# Altium PCB ctrl_boardV1.1.PcbDoc (part 2 of 3)
Units mil, origin at the board's own origin, x right, y up, seen from the top; angles counter-clockwise.
Board outline 8346.46 x 3346.46 mil, 2 copper layers (Top Layer, Bottom Layer); 255 components, 141 nets, 746 pads, 2286 vias.
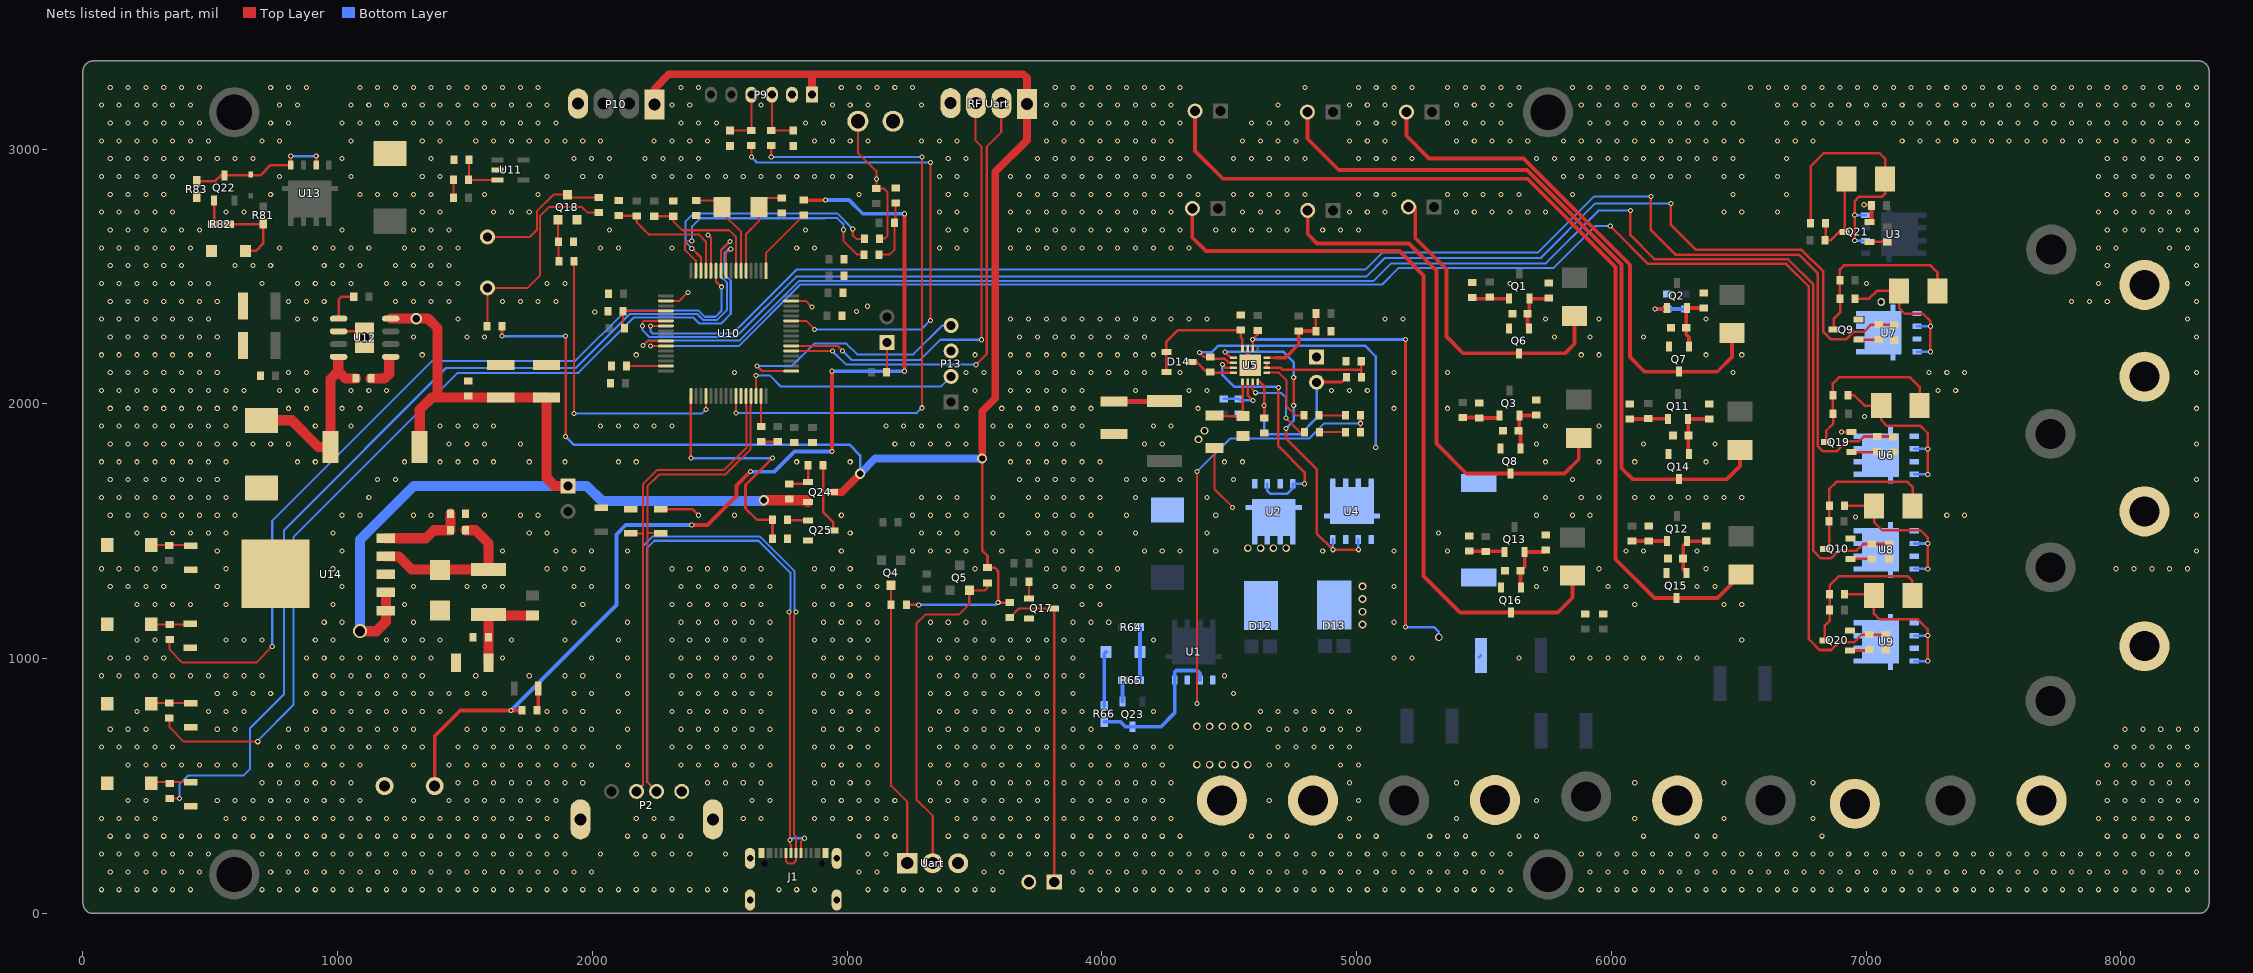
[diagram p2: the nets of this part, all layers, seen from the top]

## Via types
v1: diameter 20, hole 12, Top Layer to Bottom Layer, tented both sides, 2178 vias
v2: diameter 30, hole 20, Top Layer to Bottom Layer, tented both sides, 97 vias
v3: diameter 40, hole 25, Top Layer to Bottom Layer, tented both sides, 3 vias
v4: diameter 55, hole 40, Top Layer to Bottom Layer, tented both sides, 2 vias
v5: diameter 45, hole 30, Top Layer to Bottom Layer, tented both sides, 2 vias
v6: diameter 59.06, hole 39.37, Top Layer to Bottom Layer, 1 vias
v7: diameter 60, hole 40, Top Layer to Bottom Layer, tented both sides, 1 vias
v8: diameter 40, hole 30, Top Layer to Bottom Layer, tented both sides, 1 vias
v9: diameter 50, hole 30, Top Layer to Bottom Layer, tented both sides, 1 vias

## Nets (pads, with @x,y where several pads share a name; then routed paths per layer and width w, separated by ;. In a path a pad name is that pad's centre, name@x,y a point inside that pad or via, vN(x,y) a via of type N, cw(c..) or ccw(c..) an arc to the next point about the centre after c; other vN are vias at no path point) (continued)
GND: 12V-.1 "RF Uart.4" C1.1 C2.1 C3.1 C4.2 C5.2 C6.1 C7.2 C8.1 C10.1 C13.1 C14.1 C15.1 C16.1 C17.1 C18.1 C19.1 C20.1 C21.1 C22.1 C23.1 C24.1 C26.1 C27.2 C28.2 C29.2 C30.2 C31.2 C32.1 C33.1 C34.2 D15.1 D16.1 D17.1 D18.1 D19.1 D20.1 D21.1 D22.1 D23.1 D24.1 D25.1 D26.1 D27.1 Freq.2 GND.1 J1.1 J1.A1 J1.A12 J1.B1 J1.B12 NTC.1 P2.4 P2.5 P2.6 P9.2 P10.4 P13.3 P16.1 Q6.2 Q7.2 Q8.2 Q9.2 Q10.2 Q14.2 Q15.2 Q16.2 Q17.2 Q18.2 Q19.2 Q20.2 Q21.2 Q25.2 R8.1 R9.1 R10.1 R11.2 R12.2 R13.2 R16.2 R17.2 R21.1 R22.1 R23.1 R24.2 R25.2 R26.2 R33.2 R34.2 R38.2 R54.2 R59.2 R66.2 R72.2 R74.2 R76.2 R79.2 R83.2 R85.1 R89.2 R92.1 SW1.1 SW2.1 SW3.1 SW4.1 T6.1 T8.1 T10.1 TVS1.1 TVS2.1 TVS3.1 TVS4.1 TVS5.1 TVS6.1 TVS7.1 TVS8.1 U4.1 U4.3 U5.11 U5.17 U6.5 U6.6 U6.7 U6.8 U7.5 U7.6 U7.7 U7.8 U8.5 U8.6 U8.7 U8.8 U9.5 U9.6 U9.7 U9.8 U10.12 U10.18 U10.63 U11.2 U12.6 U12.9 U14.3 U14.6 Uart.3 | length 1082.7
  Top Layer w8: U10.18@2288.3,2404.89 2341.89,2404.89 v1(2375,2438) ; v1(2454,2663) 2465.46,2651.54 U10.12@2465.46,2523 ; U10.63@2780.43,2404.89 2837.11,2404.89 v1(2862,2380)
  Top Layer w10: U12.6@1003.64,2285 U12.9@1081,2285 ; D18.1@2269,1587 2393,1587 v1(2417,1563) ; J1.B12@2657.11,237 J1.A1@2668.92,237 ; C14.1@2662,1852 2726,1852 C19.1@2727,1853 ; J1.B1@2909.08,237 J1.A12@2920.89,237 ; U5.11@4572.31,2217.41 4572.31,2161.99 v2(4582.15,2152.15) ; v1(6904,1889.89) Q19.2@6942.15,1889.89
  Top Layer w15: v1(6992.15,2782.15) 7018.09,2782.15 R38.2@7021.09,2779.15 7021.09,2719.2 7016.78,2714.89 Q21.2@7014.15,2714.89
  Bottom Layer w15: R66.2@4009.15,814.13 4009.15,1019.15 D17.1@4016.15,1026.15
  other v1: 72,93 142,93 212,93 282,93 352,93 422,93 702,93 772,93 842,93 912,93 982,93 1052,93 1122,93 1192,93 1262,93 1332,93 1402,93 1472,93 1542,93 1612,93 1682,93 1752,93 1822,93 1892,93 1962,93 2032,93 2102,93 2172,93 2242,93 2312,93 2382,93 2452,93 2522,93 2732,93 2802,93 2872,93 3082,93 3152,93 3222,93 3292,93 3362,93 3432,93 3502,93 3572,93 3922,93 3992,93 4062,93 4132,93 4202,93 4272,93 4342,93 4412,93 4482,93 4552,93 4622,93 4692,93 4762,93 4832,93 4902,93 4972,93 5042,93 5112,93 5182,93 5252,93 5322,93 5392,93 5462,93 5532,93 5602,93 5882,93 5952,93 6022,93 6092,93 6162,93 6232,93 6302,93 6372,93 6442,93 6512,93 6582,93 6652,93 6722,93 6792,93 6862,93 6932,93 7002,93 7072,93 7142,93 7212,93 7282,93 7352,93 7422,93 7492,93 7562,93 7632,93 7702,93 7772,93 7842,93 7912,93 7982,93 8052,93 8122,93 8192,93 8262,93 107,163 177,163 247,163 317,163 387,163 457,163 737,163 807,163 877,163 947,163 1017,163 1087,163 1157,163 1227,163 1297,163 1367,163 1437,163 1507,163 1577,163 1647,163 1717,163 1787,163 1857,163 1927,163 1997,163 3047,163 3117,163 3537,163 3607,163 3887,163 3957,163 4027,163 4097,163 4167,163 4237,163 4307,163 4377,163 4447,163 4517,163 4587,163 4657,163 4727,163 4797,163 4867,163 4937,163 5007,163 5077,163 5147,163 5217,163 5287,163 5357,163 5427,163 5497,163 5567,163 5917,163 5987,163 6057,163 6127,163 6197,163 6267,163 6337,163 6407,163 6477,163 6547,163 6617,163 6687,163 6757,163 6827,163 6897,163 6967,163 7037,163 7107,163 7177,163 7247,163 7317,163 7387,163 7457,163 7527,163 7597,163 7667,163 7737,163 7807,163 7877,163 7947,163 8017,163 8087,163 8157,163 8227,163 8297,163 72,233 142,233 212,233 282,233 352,233 422,233 492,233 702,233 772,233 842,233 912,233 982,233 1052,233 1122,233 1192,233 1262,233 1332,233 1402,233 1472,233 1542,233 1612,233 1682,233 1752,233 1822,233 1892,233 2032,233 2172,233 2242,233 2312,233 2382,233 2522,233 3082,233 3152,233 3572,233 3642,233 3712,233 3782,233 3852,233 3922,233 3992,233 4062,233 4132,233 4202,233 4272,233 4342,233 4412,233 4482,233 4552,233 4622,233 4692,233 4762,233 4832,233 4902,233 4972,233 5042,233 5112,233 5182,233 5252,233 5322,233 5392,233 5462,233 5532,233 5602,233 5882,233 5952,233 6022,233 6092,233 6162,233 6232,233 6302,233 6372,233 6442,233 6512,233 6582,233 6652,233 6722,233 6792,233 6862,233 6932,233 7002,233 7072,233 7142,233 7212,233 7282,233 7352,233 7422,233 7492,233 7562,233 7632,233 7702,233 7772,233 7842,233 7912,233 7982,233 8052,233 8122,233 8192,233 8262,233 107,303 177,303 247,303 317,303 387,303 457,303 527,303 597,303 667,303 737,303 807,303 877,303 947,303 1017,303 1087,303 1157,303 1227,303 1297,303 1367,303 1437,303 1507,303 1577,303 1647,303 1717,303 1787,303 1857,303 2137,303 2207,303 2277,303 2347,303 3047,303 3117,303 3187,303 3397,303 3467,303 3537,303 3607,303 3677,303 3747,303 3887,303 3957,303 4027,303 4097,303 4167,303 4237,303 4307,303 4587,303 4657,303 4727,303 4937,303 5007,303 5077,303 5287,303 5357,303 5427,303 5637,303 5707,303 6127,303 6337,303 6407,303 6827,303 7947,303 8017,303 8087,303 8157,303 8227,303 8297,303 72,373 142,373 212,373 282,373 562,373 632,373 702,373 772,373 842,373 912,373 982,373 1052,373 1122,373 1192,373 1262,373 1332,373 1402,373 1472,373 1542,373 1612,373 1682,373 1752,373 1822,373 2172,373 2242,373 2312,373 2592,373 2662,373 2872,373 2942,373 3012,373 3082,373 3152,373 3432,373 3502,373 3572,373 3642,373 3712,373 3782,373 3852,373 3922,373 3992,373 4062,373 4132,373 4202,373 4272,373 4972,373 5392,373 6092,373 6442,373 6792,373 7912,373 7982,373 8052,373 8122,373 8192,373 8262,373 177,443 247,443 527,443 597,443 667,443 737,443 807,443 877,443 947,443 1017,443 1087,443 1297,443 1437,443 1507,443 1577,443 1647,443 1717,443 1787,443 1857,443 2627,443 2697,443 2907,443 2977,443 3047,443 3117,443 3187,443 3327,443 3397,443 3467,443 3537,443 3607,443 3677,443 3747,443 3887,443 3957,443 4027,443 4097,443 4167,443 4237,443 4657,443 5007,443 5707,443 7947,443 8017,443 8087,443 8157,443 8227,443 8297,443 702,513 772,513 842,513 912,513 982,513 1052,513 1472,513 1542,513 1612,513 1682,513 1752,513 1822,513 1892,513 1962,513 2452,513 2522,513 2592,513 2662,513 2872,513 2942,513 3012,513 3082,513 3362,513 3432,513 3502,513 3572,513 3642,513 3712,513 3782,513 3852,513 3922,513 3992,513 4062,513 4132,513 4202,513 4272,513 4972,513 5392,513 6092,513 6442,513 6792,513 7912,513 7982,513 8052,513 8122,513 8192,513 8262,513 177,583 247,583 317,583 387,583 457,583 527,583 597,583 737,583 807,583 877,583 947,583 1017,583 1087,583 1297,583 1437,583 1507,583 1577,583 1647,583 1717,583 1787,583 1857,583 1927,583 1997,583 2137,583 2347,583 2417,583 2487,583 2557,583 2627,583 2697,583 2907,583 2977,583 3047,583 3117,583 3327,583 3397,583 3467,583 3537,583 3607,583 3677,583 3747,583 3887,583 3957,583 4027,583 4097,583 4167,583 4237,583 4657,583 4727,583 4937,583 5007,583 7947,583 8017,583 8087,583 8157,583 8227,583 8297,583 72,653 142,653 212,653 282,653 352,653 772,653 842,653 912,653 982,653 1052,653 1122,653 1192,653 1262,653 1332,653 1472,653 1542,653 1612,653 1682,653 1752,653 1822,653 1892,653 1962,653 2102,653 2312,653 2382,653 2452,653 2522,653 2592,653 2662,653 2872,653 2942,653 3012,653 3082,653 3362,653 3432,653 3502,653 3572,653 3642,653 3712,653 3782,653 3852,653 3922,653 3992,653 4062,653 4132,653 4202,653 4272,653 4692,653 4762,653 4832,653 4902,653 4972,653 7982,653 8052,653 8122,653 8192,653 8262,653 107,723 177,723 247,723 527,723 597,723 807,723 877,723 947,723 1017,723 1087,723 1157,723 1227,723 1297,723 1507,723 1577,723 1647,723 1717,723 1787,723 1857,723 1927,723 1997,723 2137,723 2347,723 2417,723 2487,723 2557,723 2627,723 2697,723 2907,723 2977,723 3047,723 3117,723 3327,723 3397,723 3467,723 3537,723 3607,723 3677,723 3747,723 3887,723 3957,723 4657,723 4727,723 4797,723 4867,723 4937,723 5007,723 8017,723 8087,723 8157,723 8227,723 8297,723 212,793 492,793 562,793 632,793 912,793 982,793 1052,793 1122,793 1192,793 1262,793 1332,793 1402,793 1822,793 1892,793 1962,793 2102,793 2312,793 2382,793 2452,793 2522,793 2592,793 2662,793 2872,793 2942,793 3012,793 3082,793 3362,793 3432,793 3502,793 3572,793 3642,793 3712,793 3782,793 3852,793 3922,793 4202,793 4622,793 4692,793 4762,793 4832,793 4902,793 4972,793 527,863 597,863 667,863 737,863 877,863 947,863 1017,863 1087,863 1157,863 1227,863 1297,863 1367,863 1437,863 1507,863 1577,863 1927,863 1997,863 2137,863 2347,863 2417,863 2487,863 2557,863 2627,863 2697,863 2907,863 2977,863 3047,863 3117,863 3327,863 3397,863 3467,863 3537,863 3607,863 3677,863 3747,863 3887,863 4517,863 72,933 142,933 212,933 282,933 352,933 422,933 492,933 562,933 632,933 702,933 912,933 982,933 1052,933 1122,933 1192,933 1262,933 1332,933 1542,933 1752,933 1892,933 1962,933 2102,933 2312,933 2382,933 2452,933 2522,933 2592,933 2662,933 2872,933 2942,933 3012,933 3082,933 3362,933 3432,933 3502,933 3572,933 3642,933 3712,933 3782,933 3852,933 3922,933 4482,933 107,1003 177,1003 247,1003 317,1003 877,1003 947,1003 1017,1003 1087,1003 1157,1003 1227,1003 1297,1003 1367,1003 1647,1003 1997,1003 2137,1003 2347,1003 2417,1003 2487,1003 2557,1003 2627,1003 2697,1003 2907,1003 2977,1003 3047,1003 3117,1003 3327,1003 3397,1003 3467,1003 3537,1003 3607,1003 3677,1003 3747,1003 3887,1003 5147,1003 5217,1003 5637,1003 5847,1003 5917,1003 5987,1003 6057,1003 6127,1003 6197,1003 6267,1003 6337,1003 212,1073 282,1073 562,1073 632,1073 702,1073 912,1073 982,1073 1192,1073 1262,1073 1332,1073 1402,1073 1682,1073 1892,1073 2102,1073 2312,1073 2382,1073 2452,1073 2522,1073 2592,1073 2662,1073 2872,1073 2942,1073 3012,1073 3082,1073 3362,1073 3432,1073 3502,1073 3572,1073 3642,1073 3712,1073 3782,1073 3852,1073 3922,1073 4202,1073 6512,1073 947,1143 1017,1143 1297,1143 1927,1143 2137,1143 2347,1143 2417,1143 2487,1143 2557,1143 2627,1143 2697,1143 2907,1143 2977,1143 3047,1143 3117,1143 3327,1143 3397,1143 3467,1143 3537,1143 3887,1143 3957,1143 4027,1143 5147,1143 212,1213 282,1213 352,1213 422,1213 562,1213 982,1213 1262,1213 1962,1213 2312,1213 2382,1213 2452,1213 2522,1213 2592,1213 2662,1213 2872,1213 2942,1213 3012,1213 3082,1213 3922,1213 3992,1213 6092,1213 6442,1213 6512,1213 107,1283 177,1283 247,1283 317,1283 527,1283 1017,1283 1297,1283 1507,1283 1577,1283 1647,1283 1927,1283 1997,1283 2137,1283 2347,1283 2417,1283 2487,1283 2557,1283 2627,1283 2697,1283 2907,1283 2977,1283 3047,1283 3117,1283 3817,1283 3887,1283 3957,1283 4027,1283 5147,1283 5707,1283 5987,1283 6057,1283 6337,1283 6407,1283 72,1353 142,1353 212,1353 282,1353 562,1353 982,1353 1822,1353 1892,1353 1962,1353 2312,1353 2382,1353 2452,1353 2522,1353 2592,1353 2662,1353 2872,1353 2942,1353 3012,1353 3502,1353 3782,1353 3852,1353 3922,1353 3992,1353 4062,1353 5742,1353 5952,1353 6372,1353 7982,1353 8052,1353 8122,1353 8192,1353 8262,1353 527,1423 1017,1423 1647,1423 1857,1423 1927,1423 1997,1423 2137,1423 2977,1423 3257,1423 3327,1423 3397,1423 3467,1423 3607,1423 3747,1423 3817,1423 3887,1423 3957,1423 4167,1423 4237,1423 4307,1423 4447,1423 4867,1423 5147,1423 5357,1423 6057,1423 6127,1423 6337,1423 8297,1423 212,1493 352,1493 422,1493 492,1493 562,1493 982,1493 1752,1493 1822,1493 3012,1493 3292,1493 3362,1493 3432,1493 3572,1493 3712,1493 3782,1493 3852,1493 3922,1493 3992,1493 4132,1493 4412,1493 5322,1493 6957.84,1556.88 107,1563 177,1563 247,1563 317,1563 387,1563 457,1563 527,1563 597,1563 1017,1563 1087,1563 1297,1563 1367,1563 1577,1563 1717,1563 1787,1563 2557,1563 2977,1563 3257,1563 3327,1563 3397,1563 3467,1563 3607,1563 3747,1563 3817,1563 3887,1563 3957,1563 4097,1563 4447,1563 5707,1563 5847,1563 5917,1563 7317,1563 7387,1563 8297,1563 72,1633 142,1633 212,1633 282,1633 352,1633 422,1633 492,1633 562,1633 1122,1633 3292,1633 3362,1633 3432,1633 3572,1633 3712,1633 3782,1633 3852,1633 3922,1633 3992,1633 4132,1633 4412,1633 5742,1633 5882,1633 5952,1633 6092,1633 6162,1633 6232,1633 6302,1633 6372,1633 6442,1633 6512,1633 107,1703 177,1703 247,1703 317,1703 387,1703 457,1703 527,1703 1157,1703 1227,1703 3677,1703 3747,1703 3817,1703 3887,1703 3957,1703 4097,1703 4167,1703 4237,1703 4307,1703 4517,1703 5847,1703 8297,1703 72,1773 142,1773 212,1773 282,1773 352,1773 422,1773 492,1773 562,1773 842,1773 912,1773 1262,1773 1402,1773 1472,1773 1542,1773 1612,1773 1752,1773 1892,1773 2102,1773 2172,1773 2802,1773 3012,1773 3642,1773 3712,1773 3782,1773 3852,1773 3922,1773 3992,1773 4482,1773 4552,1773 5742,1773 5952,1773 6092,1773 6372,1773 107,1843 177,1843 247,1843 317,1843 387,1843 457,1843 527,1843 597,1843 667,1843 737,1843 807,1843 1437,1843 1507,1843 1577,1843 1717,1843 3187,1843 3257,1843 3327,1843 3397,1843 3467,1843 3607,1843 3677,1843 3747,1843 3817,1843 3887,1843 4167,1843 4237,1843 5707,1843 6127,1843 6407,1843 8297,1843 72,1913 142,1913 212,1913 282,1913 352,1913 422,1913 492,1913 562,1913 912,1913 1052,1913 1402,1913 1472,1913 1542,1913 1612,1913 2032,1913 2102,1913 2172,1913 2242,1913 2312,1913 3152,1913 3222,1913 3292,1913 3362,1913 3432,1913 3572,1913 3642,1913 3712,1913 3782,1913 3852,1913 3922,1913 4202,1913 4272,1913 5742,1913 5952,1913 6993.15,1950.15 107,1983 177,1983 247,1983 317,1983 387,1983 457,1983 527,1983 597,1983 807,1983 877,1983 1017,1983 1087,1983 3467,1983 3607,1983 3677,1983 3747,1983 3817,1983 3887,1983 3957,1983 4377,1983 5147,1983 5357,1983 8297,1983 72,2053 142,2053 212,2053 282,2053 352,2053 422,2053 492,2053 562,2053 632,2053 772,2053 842,2053 912,2053 1052,2053 1122,2053 1192,2053 3502,2053 3642,2053 3712,2053 3782,2053 3852,2053 3922,2053 4132,2053 4342,2053 4412,2053 4902,2053 4972,2053 5042,2053 7282,2053 7352,2053 107,2123 177,2123 247,2123 317,2123 387,2123 457,2123 527,2123 807,2123 877,2123 2557,2123 3467,2123 3537,2123 3677,2123 3747,2123 3817,2123 3887,2123 3957,2123 4027,2123 4097,2123 4167,2123 4307,2123 5147,2123 5357,2123 6477,2123 7247,2123 7317,2123 7387,2123 8297,2123 72,2193 142,2193 212,2193 282,2193 352,2193 422,2193 492,2193 1332,2193 2172,2193 3502,2193 3642,2193 3712,2193 3782,2193 3852,2193 3922,2193 3992,2193 4062,2193 4132,2193 4202,2193 5882,2193 5952,2193 6372,2193 6512,2193 107,2263 177,2263 247,2263 317,2263 387,2263 457,2263 527,2263 1297,2263 1507,2263 1577,2263 3677,2263 3747,2263 3817,2263 3887,2263 3957,2263 4027,2263 4097,2263 4167,2263 5777,2263 5917,2263 6127,2263 8297,2263 72,2333 142,2333 212,2333 282,2333 352,2333 422,2333 492,2333 842,2333 912,2333 1472,2333 3642,2333 3712,2333 3782,2333 3852,2333 3922,2333 3992,2333 4062,2333 4132,2333 4202,2333 4272,2333 4342,2333 4412,2333 5112,2333 5182,2333 5742,2333 5952,2333 6372,2333 8262,2333 2009,2361 3037.17,2362.73 3079.72,2383.49 107,2403 177,2403 247,2403 317,2403 387,2403 457,2403 527,2403 807,2403 877,2403 947,2403 1227,2403 1297,2403 1367,2403 1437,2403 1647,2403 1717,2403 1787,2403 1857,2403 7807,2403 7877,2403 7947,2403 8297,2403 72,2473 142,2473 212,2473 282,2473 352,2473 422,2473 492,2473 702,2473 842,2473 912,2473 982,2473 1052,2473 1192,2473 1262,2473 1332,2473 1402,2473 1472,2473 1822,2473 1892,2473 5602,2473 7002,2473 7912,2473 8262,2473 107,2543 177,2543 247,2543 317,2543 387,2543 597,2543 667,2543 737,2543 947,2543 1017,2543 1087,2543 1227,2543 1297,2543 1367,2543 1437,2543 7947,2543 8297,2543 72,2613 142,2613 212,2613 282,2613 352,2613 422,2613 772,2613 912,2613 982,2613 1052,2613 1122,2613 1262,2613 1332,2613 1402,2613 1472,2613 2032,2613 2102,2613 2312,2613 2802,2613 2872,2613 3362,2613 3432,2613 3642,2613 3712,2613 3782,2613 3852,2613 3922,2613 3992,2613 4062,2613 4132,2613 4202,2613 4272,2613 4342,2613 7912,2613 7982,2613 8192,2613 8262,2613 107,2683 177,2683 247,2683 317,2683 387,2683 457,2683 1017,2683 1297,2683 1367,2683 1437,2683 2067,2683 2837,2683 3397,2683 3467,2683 3677,2683 3747,2683 3817,2683 3887,2683 3957,2683 4027,2683 4097,2683 4167,2683 4237,2683 4307,2683 4447,2683 4517,2683 4587,2683 4657,2683 4727,2683 4867,2683 4937,2683 5007,2683 7947,2683 8017,2683 8087,2683 8157,2683 8227,2683 8297,2683 72,2753 142,2753 212,2753 282,2753 352,2753 562,2753 632,2753 1332,2753 1402,2753 1612,2753 1682,2753 1752,2753 3362,2753 3432,2753 3642,2753 3712,2753 3782,2753 3852,2753 3922,2753 3992,2753 4062,2753 4132,2753 4202,2753 4272,2753 4552,2753 4622,2753 4692,2753 4972,2753 5042,2753 5112,2753 5392,2753 5462,2753 5532,2753 5602,2753 5672,2753 5742,2753 6442,2753 6512,2753 6652,2753 7912,2753 7982,2753 8052,2753 8122,2753 8192,2753 8262,2753 107,2823 177,2823 247,2823 317,2823 737,2823 1087,2823 1157,2823 1227,2823 1297,2823 1367,2823 1577,2823 1787,2823 3047,2823 3397,2823 3467,2823 3677,2823 3747,2823 3817,2823 3887,2823 3957,2823 4027,2823 4097,2823 4167,2823 4237,2823 4307,2823 4377,2823 4517,2823 4587,2823 4657,2823 4727,2823 4797,2823 5007,2823 5077,2823 5147,2823 5357,2823 5427,2823 5497,2823 5567,2823 5637,2823 5847,2823 6477,2823 6687,2823 7947,2823 8017,2823 8087,2823 8157,2823 8227,2823 8297,2823 72,2893 142,2893 212,2893 282,2893 352,2893 772,2893 1052,2893 1332,2893 1402,2893 1822,2893 1962,2893 2032,2893 2242,2893 2312,2893 2382,2893 2452,2893 2522,2893 2592,2893 2662,2893 2732,2893 2802,2893 2872,2893 2942,2893 3012,2893 3362,2893 3432,2893 3642,2893 3712,2893 3782,2893 3852,2893 3922,2893 3992,2893 4062,2893 4132,2893 4202,2893 4272,2893 4342,2893 5812,2893 5882,2893 5952,2893 6022,2893 6092,2893 6162,2893 6232,2893 6302,2893 6442,2893 6512,2893 6652,2893 7912,2893 7982,2893 8052,2893 8122,2893 8192,2893 8262,2893 107,2963 177,2963 247,2963 317,2963 387,2963 457,2963 527,2963 597,2963 667,2963 1017,2963 1367,2963 1927,2963 1997,2963 2067,2963 2207,2963 2277,2963 2347,2963 2417,2963 3397,2963 3467,2963 3747,2963 3817,2963 3887,2963 3957,2963 4027,2963 4097,2963 4167,2963 4237,2963 4307,2963 4517,2963 4587,2963 4657,2963 4727,2963 4797,2963 5007,2963 5077,2963 5147,2963 5217,2963 5707,2963 5777,2963 5847,2963 5917,2963 5987,2963 6057,2963 6127,2963 6197,2963 6267,2963 6337,2963 6407,2963 6477,2963 6687,2963 7947,2963 8017,2963 8087,2963 8157,2963 8227,2963 8297,2963 72,3033 142,3033 212,3033 282,3033 352,3033 422,3033 492,3033 702,3033 772,3033 1052,3033 1332,3033 1402,3033 1542,3033 1612,3033 1682,3033 1752,3033 1822,3033 1892,3033 1962,3033 2032,3033 2242,3033 2312,3033 2382,3033 2452,3033 2872,3033 2942,3033 3012,3033 3082,3033 3292,3033 3362,3033 3432,3033 3782,3033 3852,3033 3922,3033 3992,3033 4062,3033 4132,3033 4202,3033 4272,3033 4552,3033 4622,3033 4692,3033 4762,3033 4972,3033 5042,3033 5112,3033 5392,3033 5462,3033 5532,3033 5602,3033 5672,3033 5812,3033 5882,3033 5952,3033 6022,3033 6092,3033 6162,3033 6232,3033 6302,3033 6372,3033 6442,3033 6512,3033 6652,3033 6722,3033 6792,3033 7142,3033 7212,3033 7282,3033 7352,3033 7422,3033 7492,3033 7562,3033 7632,3033 7702,3033 7772,3033 7842,3033 7912,3033 7982,3033 8052,3033 8122,3033 8192,3033 8262,3033 107,3103 177,3103 247,3103 317,3103 387,3103 457,3103 737,3103 807,3103 1017,3103 1087,3103 1157,3103 1227,3103 1297,3103 1367,3103 1437,3103 1507,3103 1577,3103 1647,3103 1717,3103 1787,3103 1857,3103 2347,3103 2417,3103 2487,3103 2837,3103 2907,3103 3817,3103 3887,3103 3957,3103 4027,3103 4097,3103 4167,3103 4237,3103 4307,3103 4587,3103 4657,3103 4727,3103 5007,3103 5077,3103 5147,3103 5357,3103 5427,3103 5497,3103 5567,3103 5917,3103 5987,3103 6057,3103 6127,3103 6197,3103 6267,3103 6337,3103 6407,3103 6477,3103 6687,3103 6757,3103 6827,3103 6897,3103 6967,3103 7037,3103 7107,3103 7177,3103 7247,3103 7317,3103 7387,3103 7457,3103 7527,3103 7597,3103 7667,3103 7737,3103 7807,3103 7877,3103 7947,3103 8017,3103 8087,3103 8157,3103 8227,3103 8297,3103 72,3173 142,3173 212,3173 282,3173 352,3173 422,3173 772,3173 842,3173 1052,3173 1122,3173 1192,3173 1262,3173 1332,3173 1402,3173 1472,3173 1542,3173 1612,3173 1682,3173 1752,3173 1822,3173 2312,3173 2382,3173 2662,3173 2942,3173 3012,3173 3082,3173 3292,3173 3782,3173 3852,3173 3922,3173 3992,3173 4062,3173 4132,3173 4202,3173 4272,3173 4692,3173 4972,3173 5042,3173 5112,3173 5392,3173 5462,3173 5532,3173 5602,3173 5882,3173 5952,3173 6022,3173 6092,3173 6162,3173 6232,3173 6302,3173 6372,3173 6442,3173 6652,3173 6722,3173 6792,3173 6862,3173 6932,3173 7002,3173 7072,3173 7142,3173 7212,3173 7282,3173 7352,3173 7422,3173 7492,3173 7562,3173 7632,3173 7702,3173 7772,3173 7842,3173 7912,3173 7982,3173 8052,3173 8122,3173 8192,3173 8262,3173 107,3243 177,3243 247,3243 317,3243 387,3243 457,3243 737,3243 807,3243 877,3243 1087,3243 1157,3243 1227,3243 1297,3243 1367,3243 1437,3243 1507,3243 1577,3243 1647,3243 1717,3243 1787,3243 2347,3243 2417,3243 2977,3243 3047,3243 3117,3243 3187,3243 3257,3243 3817,3243 3887,3243 3957,3243 4027,3243 4097,3243 4167,3243 4237,3243 4307,3243 4797,3243 5007,3243 5077,3243 5147,3243 5217,3243 5357,3243 5427,3243 5497,3243 5567,3243 5637,3243 5847,3243 5917,3243 5987,3243 6057,3243 6127,3243 6197,3243 6267,3243 6337,3243 6547,3243 6617,3243 6687,3243 6757,3243 6827,3243 6897,3243 6967,3243 7037,3243 7107,3243 7177,3243 7247,3243 7317,3243 7387,3243 7457,3243 7527,3243 7597,3243 7667,3243 7737,3243 7807,3243 7877,3243 7947,3243 8017,3243 8087,3243 8157,3243 8227,3243 8297,3243
  other v2: 4379.15,1861.15 4403.06,1894.91 7059.15,2400.15
  other v6: 1106,2260
heater_1: R14.2 R16.1 U10.22 | length 5701.6
  Top Layer w8: v1(2197,2306.47) 2197.11,2306.58 2197.11,2321.46 2201.8,2326.15 U10.22@2288.3,2326.15